# Altium PCB BPod Panel Due.PcbDoc (part 1 of 5)
Units mm, origin at the board's own origin, x right, y up, seen from the top; angles counter-clockwise.
Board outline 420 x 122 mm, 4 copper layers (Top Layer, Layer 2, Layer 3, Bottom Layer), stack 1.571 mm thick; 601 components, 454 nets, 1970 pads, 528 vias.
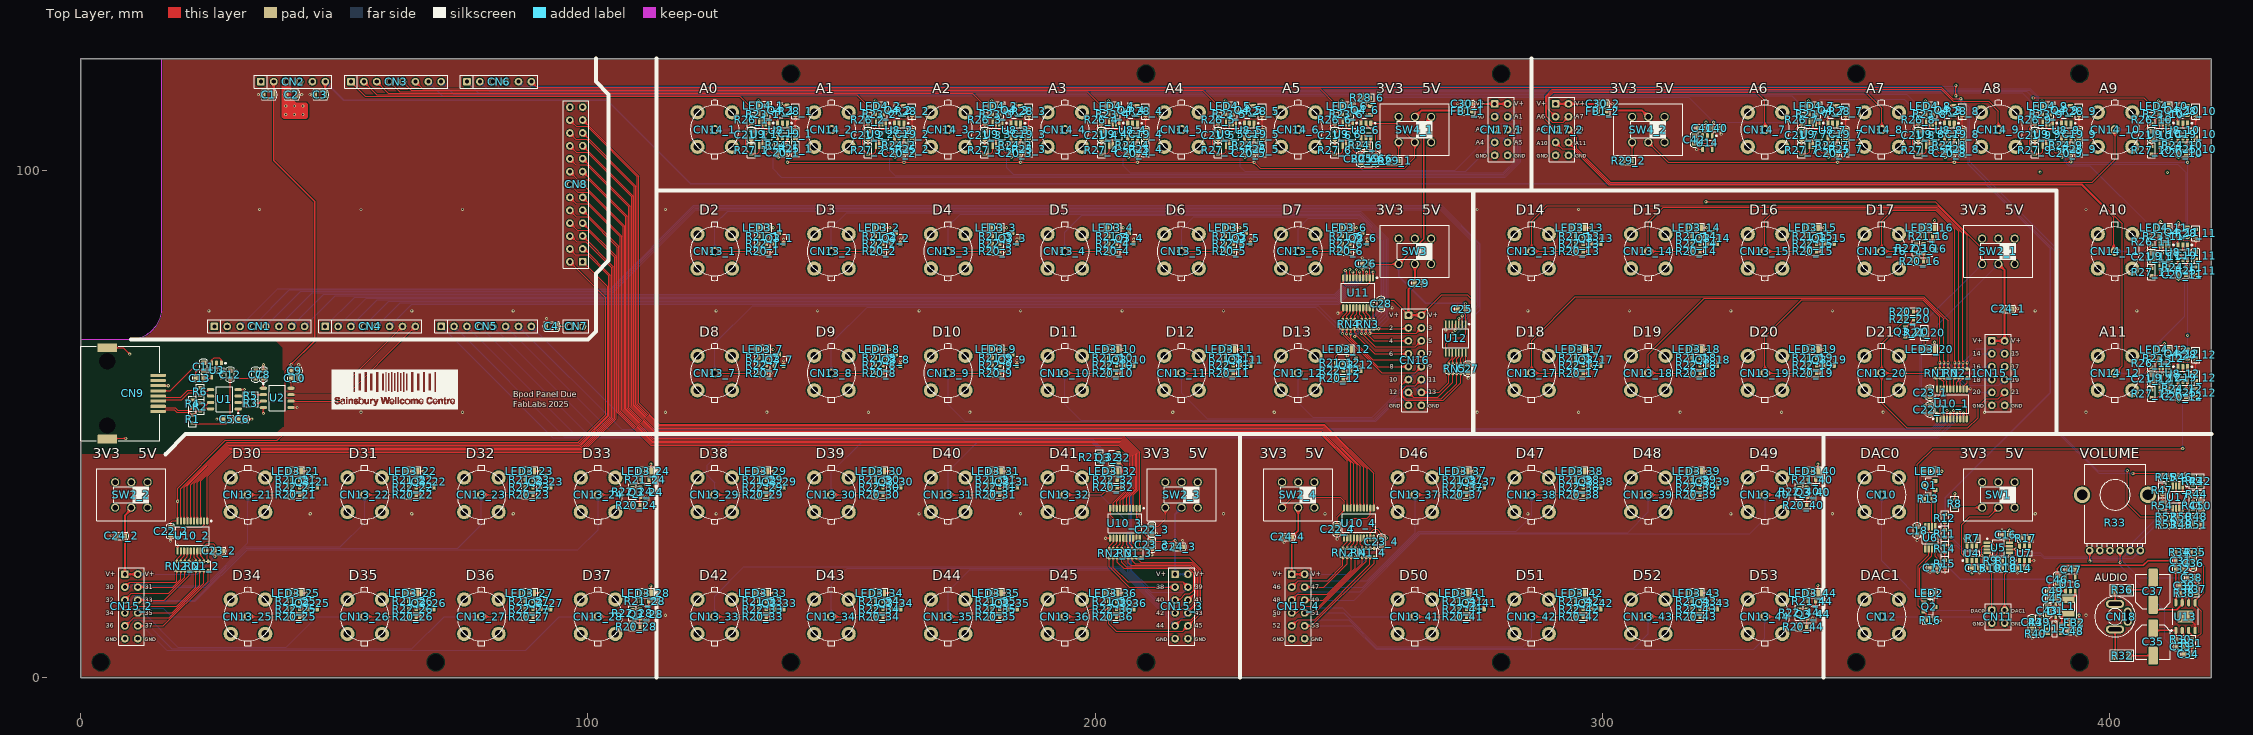
[diagram p0: Top Layer view]
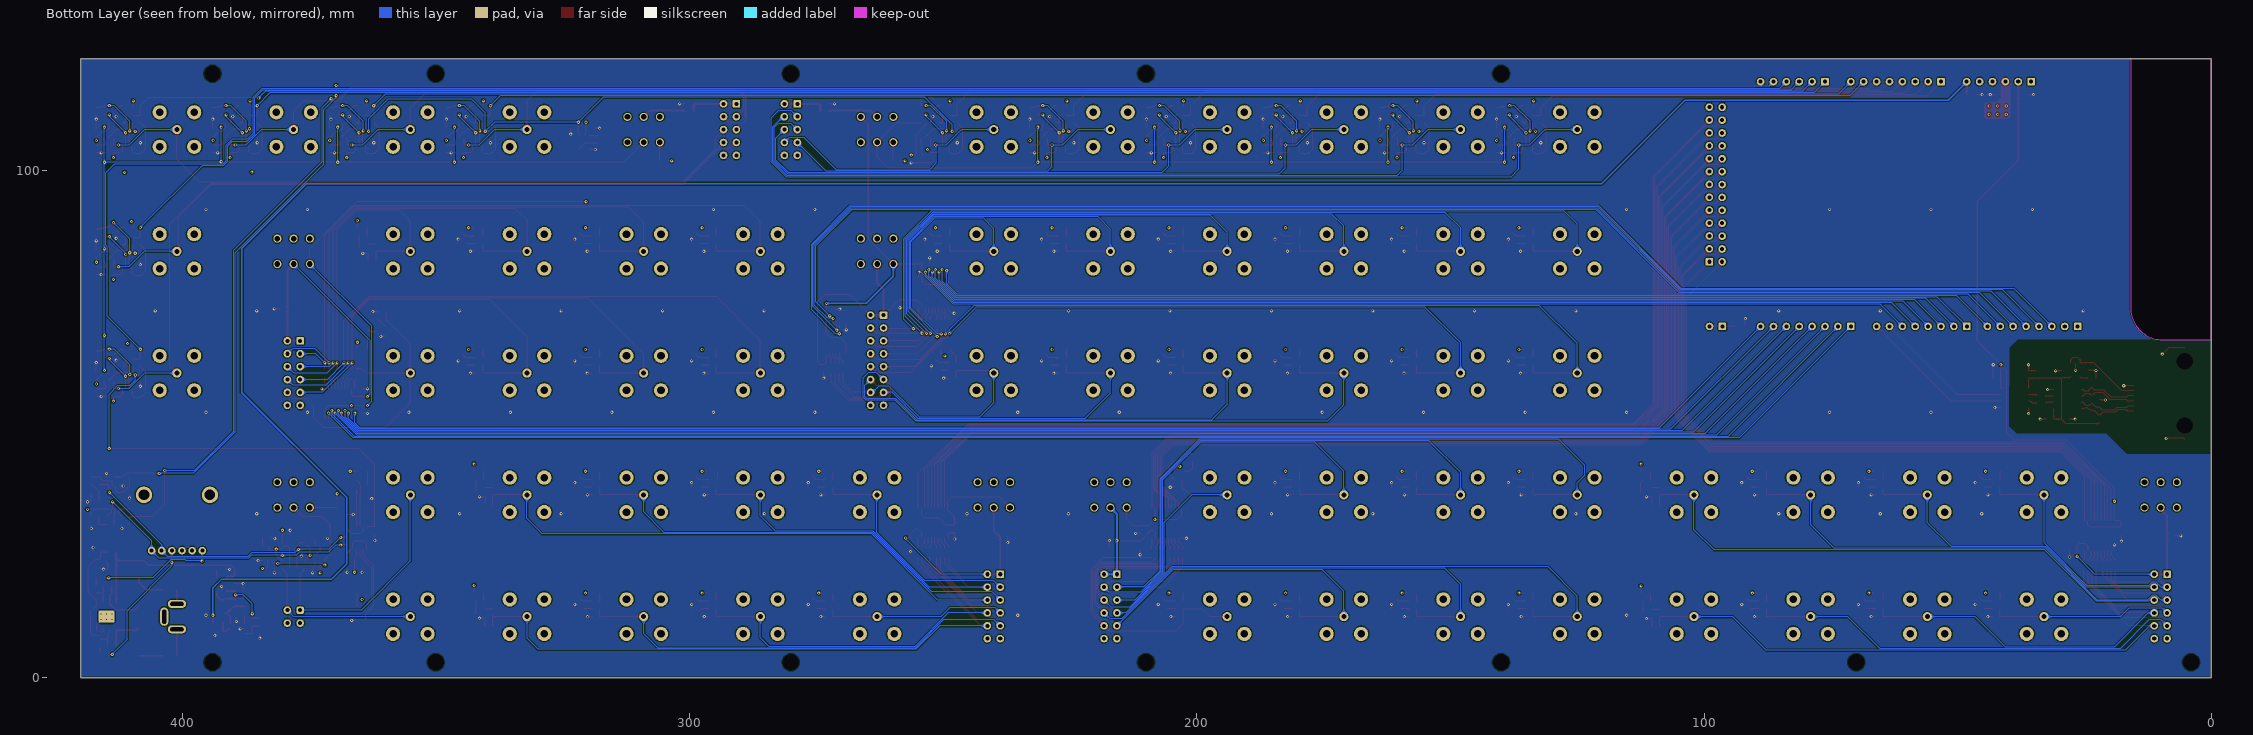
[diagram p1: Bottom Layer view, seen from below]
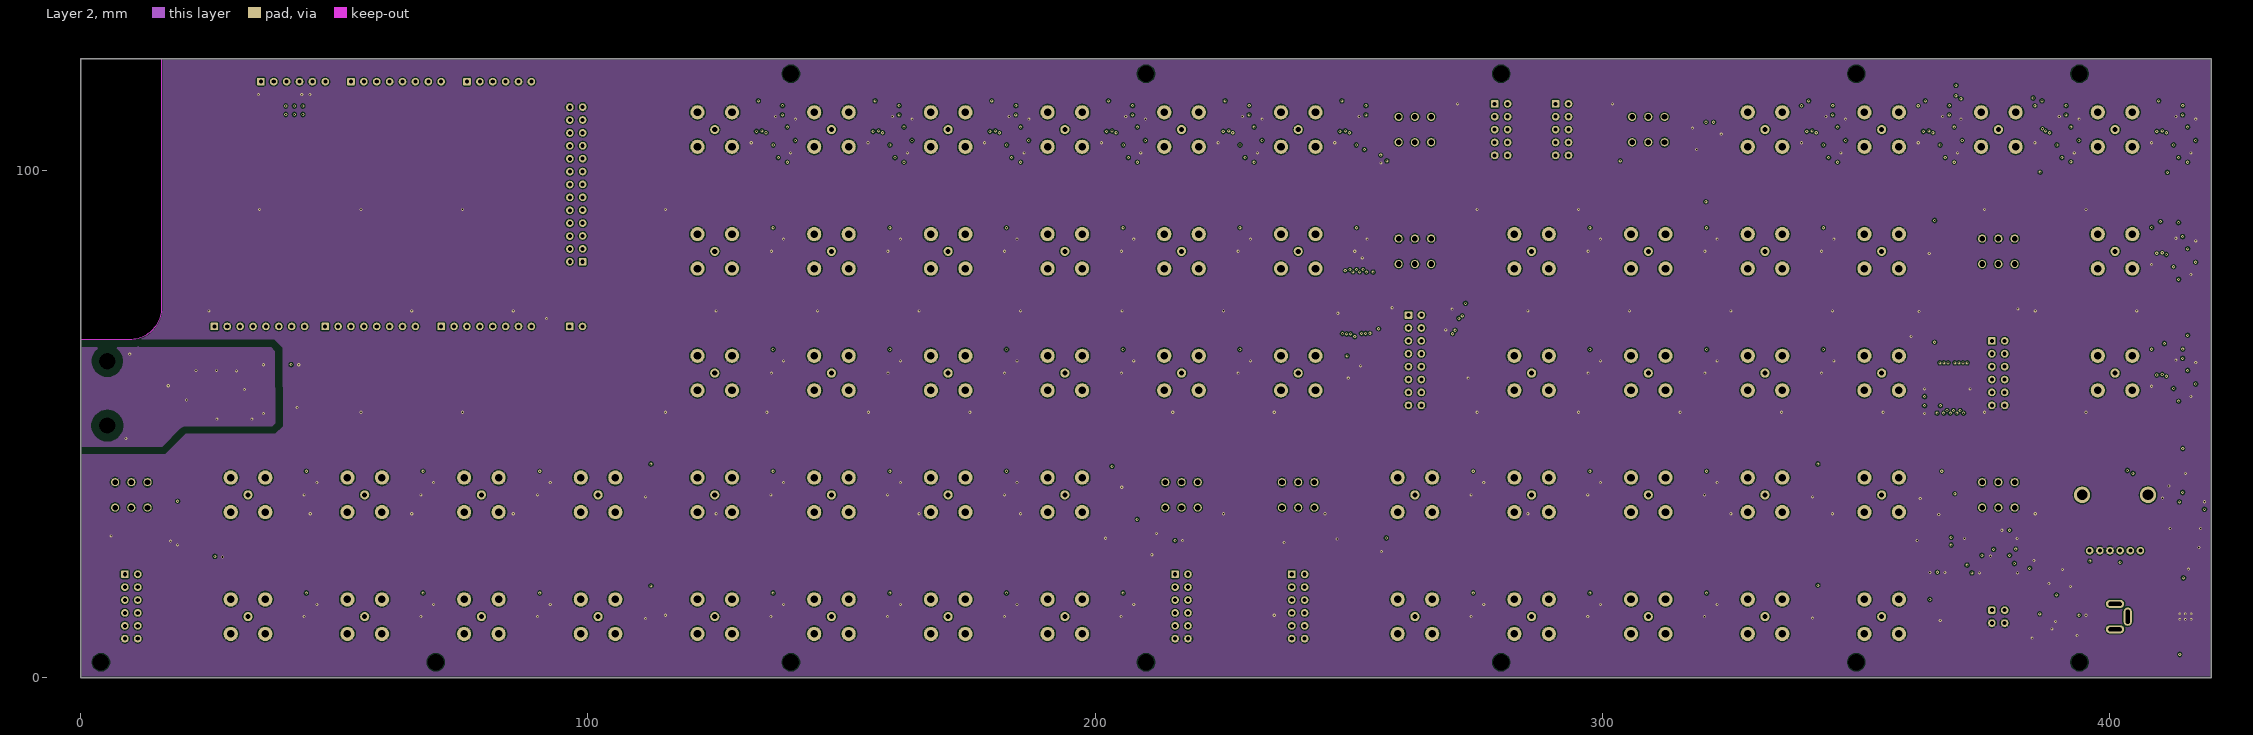
[diagram p2: Layer 2]
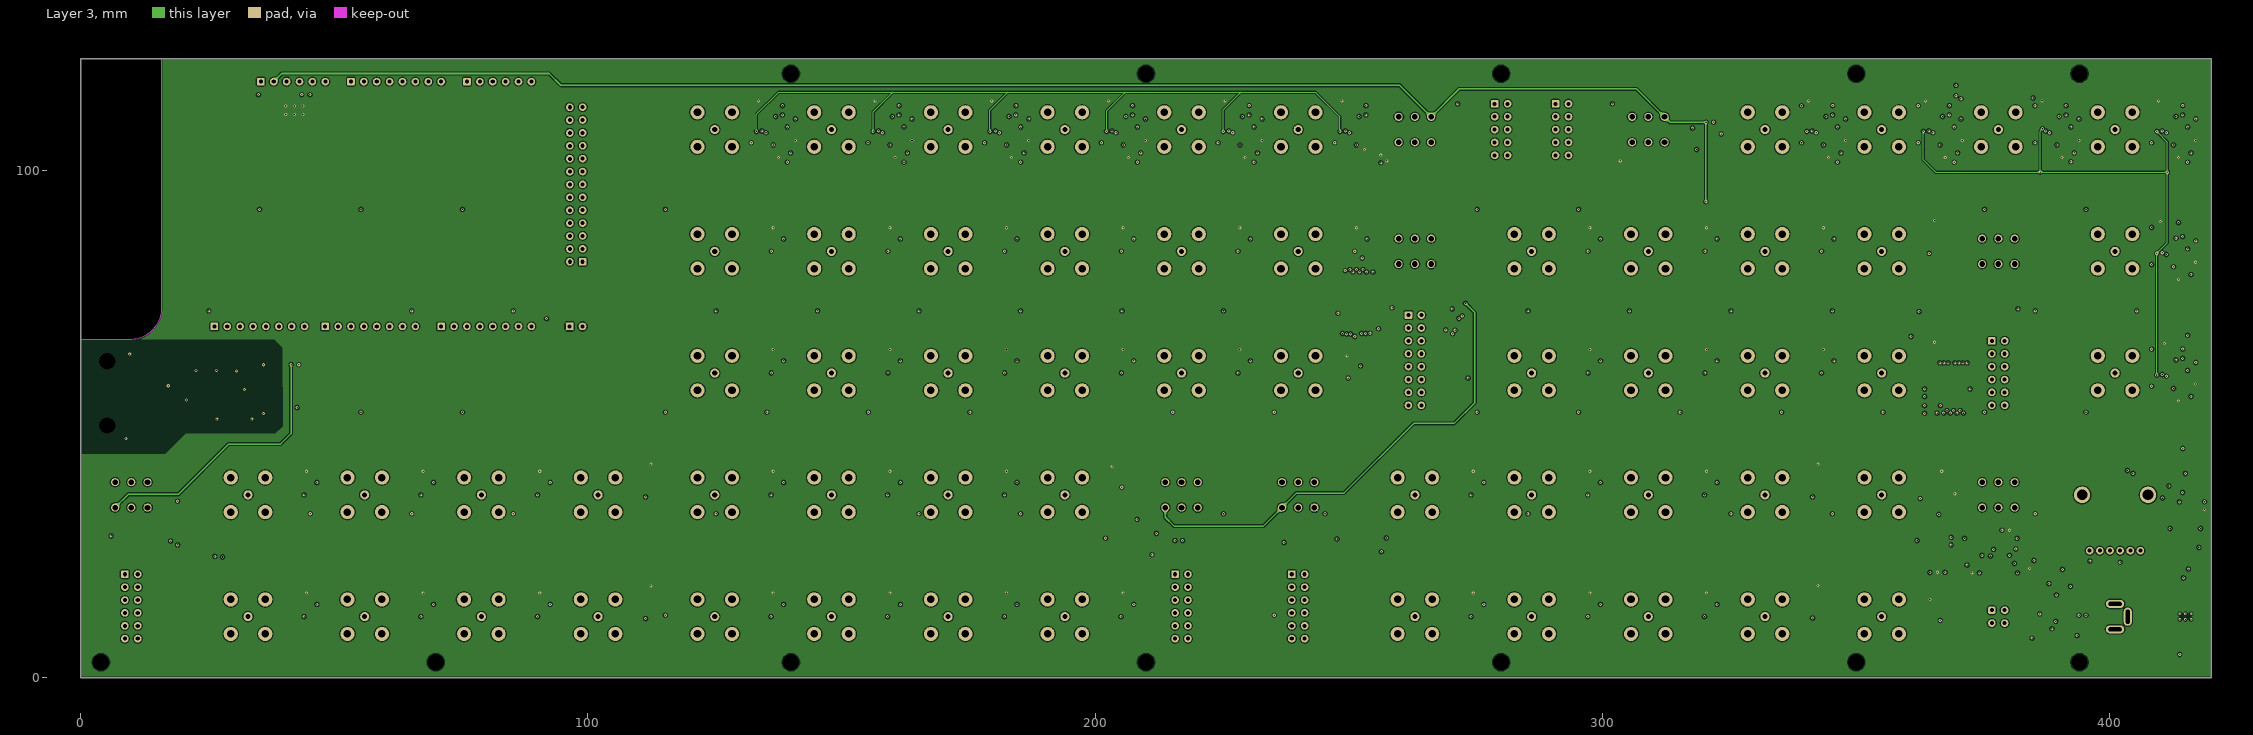
[diagram p3: Layer 3]
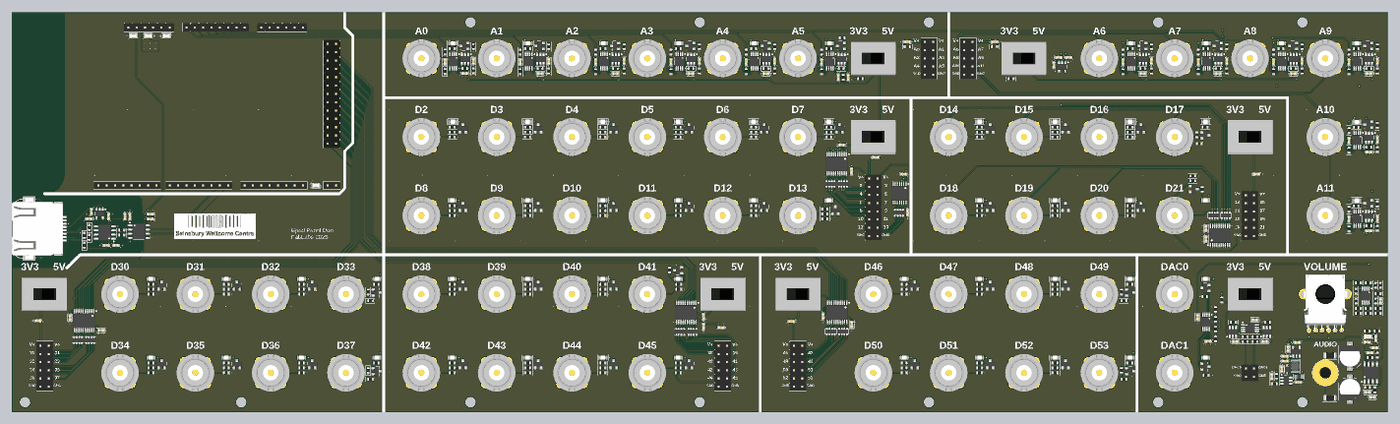
[diagram p8: 3D render of the assembled board from above, using the file's embedded part models]

## Layer stack, top to bottom
Top Solder: solder mask 0.0046, Solder Resist, Dk 3.8
Top Layer: signal copper 0.035
Dielectric 1: prepreg 0.203, 7628, Dk 4.4
Layer 2: signal copper 0.03
Core 1: core 1.035, FR-4, Dk 4.36
Layer 3: signal copper 0.03
Dielectric 2: prepreg 0.203, 7628, Dk 4.4
Bottom Layer: signal copper 0.035
Bottom Solder: solder mask 0.0046, Solder Resist, Dk 3.8

## Board outline
0,0 420,0 420,122 0,122
cut-out: 0,122 15.95,122.03 15.95,72.9 cw(c9.632,72.9) 9.632,66.582 0,66.582

## Design rules (kind name [scope] priority, off if disabled: settings)
BoardOutlineClearance [(OnLayer('Bottom Overlay') OR OnLayer('Top Overlay'))] p1: gap=0 ignorepadtopadclearanceinfootprint=FALSE
BoardOutlineClearance BoardOutlineClearance_1 [All] p2: gap=0.2 ignorepadtopadclearanceinfootprint=FALSE
Clearance Clearance_polygon [InNamedPolygon('SGND_L02_P016')] p1: gap=1.524 ignorepadtopadclearanceinfootprint=FALSE
Clearance Clearance_Power [IsRegion] p2: gap=0.203 ignorepadtopadclearanceinfootprint=TRUE
Clearance [All] p3: gap=0.127 ignorepadtopadclearanceinfootprint=FALSE except(0.203: Arc-Hole Track-Hole Via-Hole Fill-Hole Poly-Hole Region-Hole Text-Hole)
ComponentClearance [All] p1: gap=0.089 collisioncheckmode=3 verticalgap=0.089 showdistances=TRUE
DiffPairsRouting JLCPCB_6L_90Ohm [InDifferentialPairClass('RS422')] p1: maxlimit=0.305 minlimit=0.127 mostfreqgap=0.305 toplayer_mingap=0.305 toplayer_minwidth=0.13 toplayer_maxwidth=0.13 toplayer_prefwidth=0.13 bottomlayer_mingap=0.305 bottomlayer_minwidth=0.13 bottomlayer_maxwidth=0.13 bottomlayer_prefwidth=0.13 impedanceprofiledriven=TRUE impedanceprofileid={B078FB86-8D8A-4658-B71B-5E4C798A010F} impedanceprofilevalue=120.000000 maxuncoupledlength=12.7
Height [All] p1: minheight=0 maxheight=1816.048 prefheight=12.7
HoleSize [All] p1: absolutevalues=TRUE maxlimit=6.3 minlimit=0.2 maxpercent=80.000 minpercent=20.000
HoleToHoleClearance [All] p1: gap=0.25 allowstackedmicrovias=FALSE
MinimumAnnularRing [All] p1: minimumring=0.076
MinimumSolderMaskSliver [All] p1: minsoldermaskwidth=0
PlaneClearance [All] p1: clearance=0.089
PlaneConnect PlaneConnectPowerPads [InPadClass('PowerPads')] p1: planeconnectstyle=Direct reliefexpansion=0.508 reliefentries=4 reliefconductorwidth=0.254 reliefairgap=0.254
PlaneConnect [All] p2: pad.planeconnectstyle=Relief pad.reliefexpansion=0.3 pad.reliefentries=4 pad.reliefconductorwidth=0.089 pad.reliefairgap=0.089 via.planeconnectstyle=Relief via.reliefexpansion=0.3 via.reliefentries=4 via.reliefconductorwidth=0.127 via.reliefairgap=0.127
PolygonConnect PolygonConnectPowerPads [(InNet('GND') OR InNet('SGND') OR InNet('5V'))] p1: thpad.connectstyle=Relief thpad.reliefconductorwidth=0.254 thpad.reliefentries=4 thpad.polygonreliefangle="45 Angle" thpad.airgapwidth=0.254 smdpad.connectstyle=Relief smdpad.reliefconductorwidth=0.254 smdpad.reliefentries=4 smdpad.polygonreliefangle="45 Angle" smdpad.airgapwidth=0.254 via.connectstyle=Direct via.reliefconductorwidth=0.254 via.reliefentries=4 via.polygonreliefangle="45 Angle" via.airgapwidth=0.254
PolygonConnect [All] p2: connectstyle=Direct reliefconductorwidth=0.089 reliefentries=4 polygonreliefangle="90 Angle" airgapwidth=0.089
RoutingVias [All] p1: holewidth=0.2 width=0.45 viastyle="Through Hole" minholewidth=0.2 minwidth=0.45 maxholewidth=6.3 maxwidth=6.55
SMDNeckDown [All] p1 off: percent=50.000
SilkToSilkClearance [All] p1: silktosilkclearance=0
SilkToSolderMaskClearance [IsPad] p1 off: minsilkscreentomaskgap=0.089 clearancetoexposedcopper=TRUE
SolderMaskExpansion [All] p1: expansion=0.075 istentingtop=FALSE
SupplyNets "Schematic Supply Nets_2" [InNet('5V76')] p1: voltage=0.000
SupplyNets "Schematic Supply Nets_9" [InNet('AVDD')] p2: voltage=0.000
SupplyNets "Schematic Supply Nets_8" [InNet('SVCC')] p3: voltage=0.000
SupplyNets "Schematic Supply Nets_7" [InNet('S5V')] p4: voltage=0.000
SupplyNets "Schematic Supply Nets_6" [InNet('SGND')] p5: voltage=0.000
SupplyNets "Schematic Supply Nets" [InNet('-3V3')] p6: voltage=0.000
SupplyNets "Schematic Supply Nets_3" [InNet('3V3')] p7: voltage=0.000
SupplyNets "Schematic Supply Nets_1" [InNet('5V')] p8: voltage=0.000
SupplyNets "Schematic Supply Nets_4" [InNet('GND')] p9: voltage=0.000
Width [All] p1: maxlimit=1816.048 minlimit=0.089 preferedwidth=0.089
20 further rules are at their usual default settings.

## Classes and differential pairs
component class "DAC Offset": C50 R41 R42 R43 R44 R45 R46 R47 R48 R49 R50 R51 R52 R53 R54 U17
differential pair class RS422: RX TX
component class "Digital IO HS9": CN13_10 LED3_10 Q3_10 R20_10 R21_10 R22_10
component class "Digital IO HS8": CN13_9 LED3_9 Q3_9 R20_9 R21_9 R22_9
component class "Digital IO HS5": CN13_6 LED3_6 Q3_6 R20_6 R21_6 R22_6
component class "Digital IO19": CN13_19 LED3_19 Q3_19 R20_19 R21_19 R22_19
component class "Digital IO14": CN13_14 LED3_14 Q3_14 R20_14 R21_14 R22_14
component class "DC DC": C40 C41 C42 C43 C44 C45 C46 C47 C48 C49 D1 FB2 L1 R39 R40 U14 U15 U16
component class "DAC Output": C14 C15 C16 C17 C18 CN10 CN11 CN12 LED1 LED2 Q1 Q2 R7 R8 R9 R10 R11 R12 R13 R14 R15 R16 R17 R18 R19 SW1 U4 U5 U6 U7
component class "DAC Amplifier": C21 C31 C32 C33 C34 C35 C36 C37 C38 C39 CN18 R30 R31 R32 R33 R34 R35 R36 R37 R38 U13
component class "Bpod Input": C5 C6 C7 C8 C9 C10 C11 C12 C13 CN9 R1 R2 R3 R4 R5 R6 U1 U2 U3
channel class "Digital IO LS": "Digital IO LS A" "Digital IO LS C" "Digital IO LS D" "Digital IO LS E"
channel class "Digital IO Connector": "Digital IO13" "Digital IO14" "Digital IO15" "Digital IO16" "Digital IO17" "Digital IO18" "Digital IO19" "Digital IO20" "Digital IO21" "Digital IO22" "Digital IO23" "Digital IO24" "Digital IO25" "Digital IO26" "Digital IO27" "Digital IO28" "Digital IO29" "Digital IO30" "Digital IO31" "Digital IO32" "Digital IO33" "Digital IO34" "Digital IO35" "Digital IO36" "Digital IO37" "Digital IO38" "Digital IO39" "Digital IO40" "Digital IO41" "Digital IO42" "Digital IO43" "Digital IO44" "Digital IO HS0" "Digital IO HS1" "Digital IO HS2" "Digital IO HS3" "Digital IO HS4" "Digital IO HS5" "Digital IO HS6" "Digital IO HS7" "Digital IO HS8" "Digital IO HS9" "Digital IO HS10" "Digital IO HS11"
net class SIG_IO_CN[0..11]: SIG_IO_CN0 SIG_IO_CN1 SIG_IO_CN2 SIG_IO_CN3 SIG_IO_CN4 SIG_IO_CN5 SIG_IO_CN6 SIG_IO_CN7 SIG_IO_CN8 SIG_IO_CN9 SIG_IO_CN10 SIG_IO_CN11
component class "Digital IO LS E": C22_4 C23_4 C24_4 CN15_4 RN1_4 RN2_4 SW2_4 U10_4
component class "Digital IO LS D": C22_3 C23_3 C24_3 CN15_3 RN1_3 RN2_3 SW2_3 U10_3
component class "Digital IO LS C": C22_2 C23_2 C24_2 CN15_2 RN1_2 RN2_2 SW2_2 U10_2
component class "Digital IO LS A": C22_1 C23_1 C24_1 CN15_1 RN1_1 RN2_1 SW2_1 U10_1
component class "Digital IO HS": C25 C26 C27 C28 C29 CN16 RN3 RN4 RN5 SW3 U11 U12
component class "Digital IO44": CN13_44 LED3_44 Q3_44 R20_44 R21_44 R22_44
component class "Digital IO43": CN13_43 LED3_43 Q3_43 R20_43 R21_43 R22_43
component class "Digital IO42": CN13_42 LED3_42 Q3_42 R20_42 R21_42 R22_42
component class "Digital IO41": CN13_41 LED3_41 Q3_41 R20_41 R21_41 R22_41
component class "Digital IO40": CN13_40 LED3_40 Q3_40 R20_40 R21_40 R22_40
component class "Digital IO39": CN13_39 LED3_39 Q3_39 R20_39 R21_39 R22_39
component class "Digital IO38": CN13_38 LED3_38 Q3_38 R20_38 R21_38 R22_38
component class "Digital IO37": CN13_37 LED3_37 Q3_37 R20_37 R21_37 R22_37
component class "Digital IO36": CN13_36 LED3_36 Q3_36 R20_36 R21_36 R22_36
component class "Digital IO35": CN13_35 LED3_35 Q3_35 R20_35 R21_35 R22_35
component class "Digital IO34": CN13_34 LED3_34 Q3_34 R20_34 R21_34 R22_34
component class "Digital IO33": CN13_33 LED3_33 Q3_33 R20_33 R21_33 R22_33
component class "Digital IO32": CN13_32 LED3_32 Q3_32 R20_32 R21_32 R22_32
component class "Digital IO31": CN13_31 LED3_31 Q3_31 R20_31 R21_31 R22_31
component class "Digital IO30": CN13_30 LED3_30 Q3_30 R20_30 R21_30 R22_30
component class "Digital IO29": CN13_29 LED3_29 Q3_29 R20_29 R21_29 R22_29
component class "Digital IO28": CN13_28 LED3_28 Q3_28 R20_28 R21_28 R22_28
component class "Digital IO27": CN13_27 LED3_27 Q3_27 R20_27 R21_27 R22_27
component class "Digital IO26": CN13_26 LED3_26 Q3_26 R20_26 R21_26 R22_26
component class "Digital IO25": CN13_25 LED3_25 Q3_25 R20_25 R21_25 R22_25
component class "Digital IO24": CN13_24 LED3_24 Q3_24 R20_24 R21_24 R22_24
component class "Digital IO23": CN13_23 LED3_23 Q3_23 R20_23 R21_23 R22_23
component class "Digital IO22": CN13_22 LED3_22 Q3_22 R20_22 R21_22 R22_22
component class "Digital IO21": CN13_21 LED3_21 Q3_21 R20_21 R21_21 R22_21
component class "Digital IO20": CN13_20 LED3_20 Q3_20 R20_20 R21_20 R22_20
component class "Digital IO HS11": CN13_12 LED3_12 Q3_12 R20_12 R21_12 R22_12
component class "Digital IO18": CN13_18 LED3_18 Q3_18 R20_18 R21_18 R22_18
component class "Digital IO17": CN13_17 LED3_17 Q3_17 R20_17 R21_17 R22_17
component class "Digital IO16": CN13_16 LED3_16 Q3_16 R20_16 R21_16 R22_16
component class "Digital IO15": CN13_15 LED3_15 Q3_15 R20_15 R21_15 R22_15
component class "Digital IO HS7": CN13_8 LED3_8 Q3_8 R20_8 R21_8 R22_8
component class "Digital IO13": CN13_13 LED3_13 Q3_13 R20_13 R21_13 R22_13
component class "Digital IO HS6": CN13_7 LED3_7 Q3_7 R20_7 R21_7 R22_7
component class "Digital IO HS10": CN13_11 LED3_11 Q3_11 R20_11 R21_11 R22_11
component class "Digital IO HS4": CN13_5 LED3_5 Q3_5 R20_5 R21_5 R22_5
component class "Digital IO HS3": CN13_4 LED3_4 Q3_4 R20_4 R21_4 R22_4
component class "Digital IO HS2": CN13_3 LED3_3 Q3_3 R20_3 R21_3 R22_3
component class "Digital IO HS1": CN13_2 LED3_2 Q3_2 R20_2 R21_2 R22_2
component class "Digital IO HS0": CN13_1 LED3_1 Q3_1 R20_1 R21_1 R22_1
net class A[0..11]: A0 A1 A2 A3 A4 A5 A6 A7 A8 A9 A10 A11
channel class "Analog Input Connector": "Analog Input1" "Analog Input2" "Analog Input3" "Analog Input4" "Analog Input5" "Analog Input6" "Analog Input7" "Analog Input8" "Analog Input9" "Analog Input10" "Analog Input11" "Analog Input12"
channel class "Analog Input": "Analog Input A" "Analog Input B"
net class D[0..53]: D2 D3 D4 D5 D6 D7 D8 D9 D10 D11 D12 D13 D14 D15 D16 D17 D18 D19 D20 D21 D30 D31 D32 D33 D34 D35 D36 D37 D38 D39 D40 D41 D42 D43 D44 D45 D46 D47 D48 D49 D50 D51 D52 D53
component class "Arduino Due": C1 C2 C3 C4 CN1 CN2 CN3 CN4 CN5 CN6 CN7 CN8
component class "Analog Input B": C30_2 CN17_2 FB1_2 R29_2 SW4_2
component class "Analog Input A": C30_1 CN17_1 FB1_1 R29_1 SW4_1
component class "Analog Input12": C19_12 C20_12 C21_12 CN14_12 LED4_12 Q4_12 R23_12 R24_12 R25_12 R26_12 R27_12 R28_12 U8_12 U9_12
component class "Analog Input11": C19_11 C20_11 C21_11 CN14_11 LED4_11 Q4_11 R23_11 R24_11 R25_11 R26_11 R27_11 R28_11 U8_11 U9_11
component class "Analog Input10": C19_10 C20_10 C21_10 CN14_10 LED4_10 Q4_10 R23_10 R24_10 R25_10 R26_10 R27_10 R28_10 U8_10 U9_10
component class "Analog Input9": C19_9 C20_9 C21_9 CN14_9 LED4_9 Q4_9 R23_9 R24_9 R25_9 R26_9 R27_9 R28_9 U8_9 U9_9
component class "Analog Input8": C19_8 C20_8 C21_8 CN14_8 LED4_8 Q4_8 R23_8 R24_8 R25_8 R26_8 R27_8 R28_8 U8_8 U9_8
component class "Analog Input7": C19_7 C20_7 C21_7 CN14_7 LED4_7 Q4_7 R23_7 R24_7 R25_7 R26_7 R27_7 R28_7 U8_7 U9_7
component class "Analog Input6": C19_6 C20_6 C21_6 CN14_6 LED4_6 Q4_6 R23_6 R24_6 R25_6 R26_6 R27_6 R28_6 U8_6 U9_6
component class "Analog Input5": C19_5 C20_5 C21_5 CN14_5 LED4_5 Q4_5 R23_5 R24_5 R25_5 R26_5 R27_5 R28_5 U8_5 U9_5
component class "Analog Input4": C19_4 C20_4 C21_4 CN14_4 LED4_4 Q4_4 R23_4 R24_4 R25_4 R26_4 R27_4 R28_4 U8_4 U9_4
component class "Analog Input3": C19_3 C20_3 C21_3 CN14_3 LED4_3 Q4_3 R23_3 R24_3 R25_3 R26_3 R27_3 R28_3 U8_3 U9_3
component class "Analog Input2": C19_2 C20_2 C21_2 CN14_2 LED4_2 Q4_2 R23_2 R24_2 R25_2 R26_2 R27_2 R28_2 U8_2 U9_2
component class "Analog Input1": C19_1 C20_1 C21_1 CN14_1 LED4_1 Q4_1 R23_1 R24_1 R25_1 R26_1 R27_1 R28_1 U8_1 U9_1
differential pair TX: +TX_P -TX_N
differential pair RX: +RX_P -RX_N

## Components (designator, comment, footprint, x,y, rotation, side; value= is the part's Value field where it differs from the comment)
C1 "C0805-22uF-25V" CAP_CHIP_0805 37.056,114.875 r0 top value=22µF
C2 "C0805-22uF-25V" CAP_CHIP_0805 41.596,114.875 r180 top value=22µF
C3 "C0805-22uF-25V" CAP_CHIP_0805 47.216,114.875 r180 top value=22µF
C4 "C0805-22uF-25V" CAP_CHIP_0805 92.825,69.198 r0 top value=22µF
C5 "C0603-1uF-50V" CAP_CHIP_0603 28.825,50.925 r0 top value=1µF
C6 "C0603-100nF-50V" CAP_CHIP_0603 31.825,50.925 r180 top value=100nF
C7 "C0603-1uF-50V" CAP_CHIP_0603 34.525,59.7 r270 top value=1µF
C8 "C0603-100nF-50V" CAP_CHIP_0603 36.025,59.7 r270 top value=100nF
C9 "C0603-1uF-50V" CAP_CHIP_0603 42.25,60.45 r180 top value=1µF
C10 "C0603-100nF-50V" CAP_CHIP_0603 42.25,58.95 r180 top value=100nF
C11 "C0603-1uF-50V" CAP_CHIP_0603 24.25,61.275 r90 top value=1µF
C12 "C0603-1uF-50V" CAP_CHIP_0603 29.5,59.7 r270 top value=1µF
C13 "C0603-100nF-50V" CAP_CHIP_0603 23.5,59.025 r0 top value=100nF
C14 "C0603-100nF-50V" CAP_CHIP_0603 382.525,21.525 r0 top value=100nF
C15 "C0603-100nF-50V" CAP_CHIP_0603 373.525,21.525 r180 top value=100nF
C16 "C0603-100nF-50V" CAP_CHIP_0603 379.45,28.125 r0 top value=100nF
C17 "C0603-100nF-50V" CAP_CHIP_0603 365.225,21.625 r0 top value=100nF
C18 "C0603-100nF-50V" CAP_CHIP_0603 362,28.975 r270 top value=100nF
C19_1 "C0603-100nF-50V" CAP_CHIP_0603 140.9,107.15 r270 top value=100nF (schematic designator C19)
C19_2 "C0603-100nF-50V" CAP_CHIP_0603 163.9,107.125 r270 top value=100nF (schematic designator C19)
C19_3 "C0603-100nF-50V" CAP_CHIP_0603 186.9,107.125 r270 top value=100nF (schematic designator C19)
C19_4 "C0603-100nF-50V" CAP_CHIP_0603 209.9,107.125 r270 top value=100nF (schematic designator C19)
C19_5 "C0603-100nF-50V" CAP_CHIP_0603 232.9,107.125 r270 top value=100nF (schematic designator C19)
C19_6 "C0603-100nF-50V" CAP_CHIP_0603 255.3,102.2 r90 top value=100nF (schematic designator C19)
C19_7 "C0603-100nF-50V" CAP_CHIP_0603 347.9,107.125 r270 top value=100nF (schematic designator C19)
C19_8 "C0603-100nF-50V" CAP_CHIP_0603 370.9,107.125 r270 top value=100nF (schematic designator C19)
C19_9 "C0603-100nF-50V" CAP_CHIP_0603 393.9,107.125 r270 top value=100nF (schematic designator C19)
C19_10 "C0603-100nF-50V" CAP_CHIP_0603 416.9,107.125 r270 top value=100nF (schematic designator C19)
C19_11 "C0603-100nF-50V" CAP_CHIP_0603 416.9,83.125 r270 top value=100nF (schematic designator C19)
C19_12 "C0603-100nF-50V" CAP_CHIP_0603 416.9,59.125 r270 top value=100nF (schematic designator C19)
C20_1 "C0603-100nF-50V" CAP_CHIP_0603 138.275,103.4 r180 top value=100nF (schematic designator C20)
C20_2 "C0603-100nF-50V" CAP_CHIP_0603 161.275,103.375 r180 top value=100nF (schematic designator C20)
C20_3 "C0603-100nF-50V" CAP_CHIP_0603 184.275,103.375 r180 top value=100nF (schematic designator C20)
C20_4 "C0603-100nF-50V" CAP_CHIP_0603 207.275,103.375 r180 top value=100nF (schematic designator C20)
C20_5 "C0603-100nF-50V" CAP_CHIP_0603 230.275,103.375 r180 top value=100nF (schematic designator C20)
C20_6 "C0603-100nF-50V" CAP_CHIP_0603 252.3,102.2 r90 top value=100nF (schematic designator C20)
C20_7 "C0603-100nF-50V" CAP_CHIP_0603 345.275,103.375 r180 top value=100nF (schematic designator C20)
C20_8 "C0603-100nF-50V" CAP_CHIP_0603 368.275,103.375 r180 top value=100nF (schematic designator C20)
C20_9 "C0603-100nF-50V" CAP_CHIP_0603 391.275,103.375 r180 top value=100nF (schematic designator C20)
C20_10 "C0603-100nF-50V" CAP_CHIP_0603 414.275,103.375 r180 top value=100nF (schematic designator C20)
C20_11 "C0603-100nF-50V" CAP_CHIP_0603 414.275,79.375 r180 top value=100nF (schematic designator C20)
C20_12 "C0603-100nF-50V" CAP_CHIP_0603 414.275,55.375 r180 top value=100nF (schematic designator C20)
C21_1 "C0603-100nF-50V" CAP_CHIP_0603 132.2,106.95 r270 top value=100nF (schematic designator C21)
C21_2 "C0603-100nF-50V" CAP_CHIP_0603 155.2,106.925 r270 top value=100nF (schematic designator C21)
C21_3 "C0603-100nF-50V" CAP_CHIP_0603 178.2,106.925 r270 top value=100nF (schematic designator C21)